# Altium PCB FPGA_Module.PcbDoc (part 1 of 5) (continued)
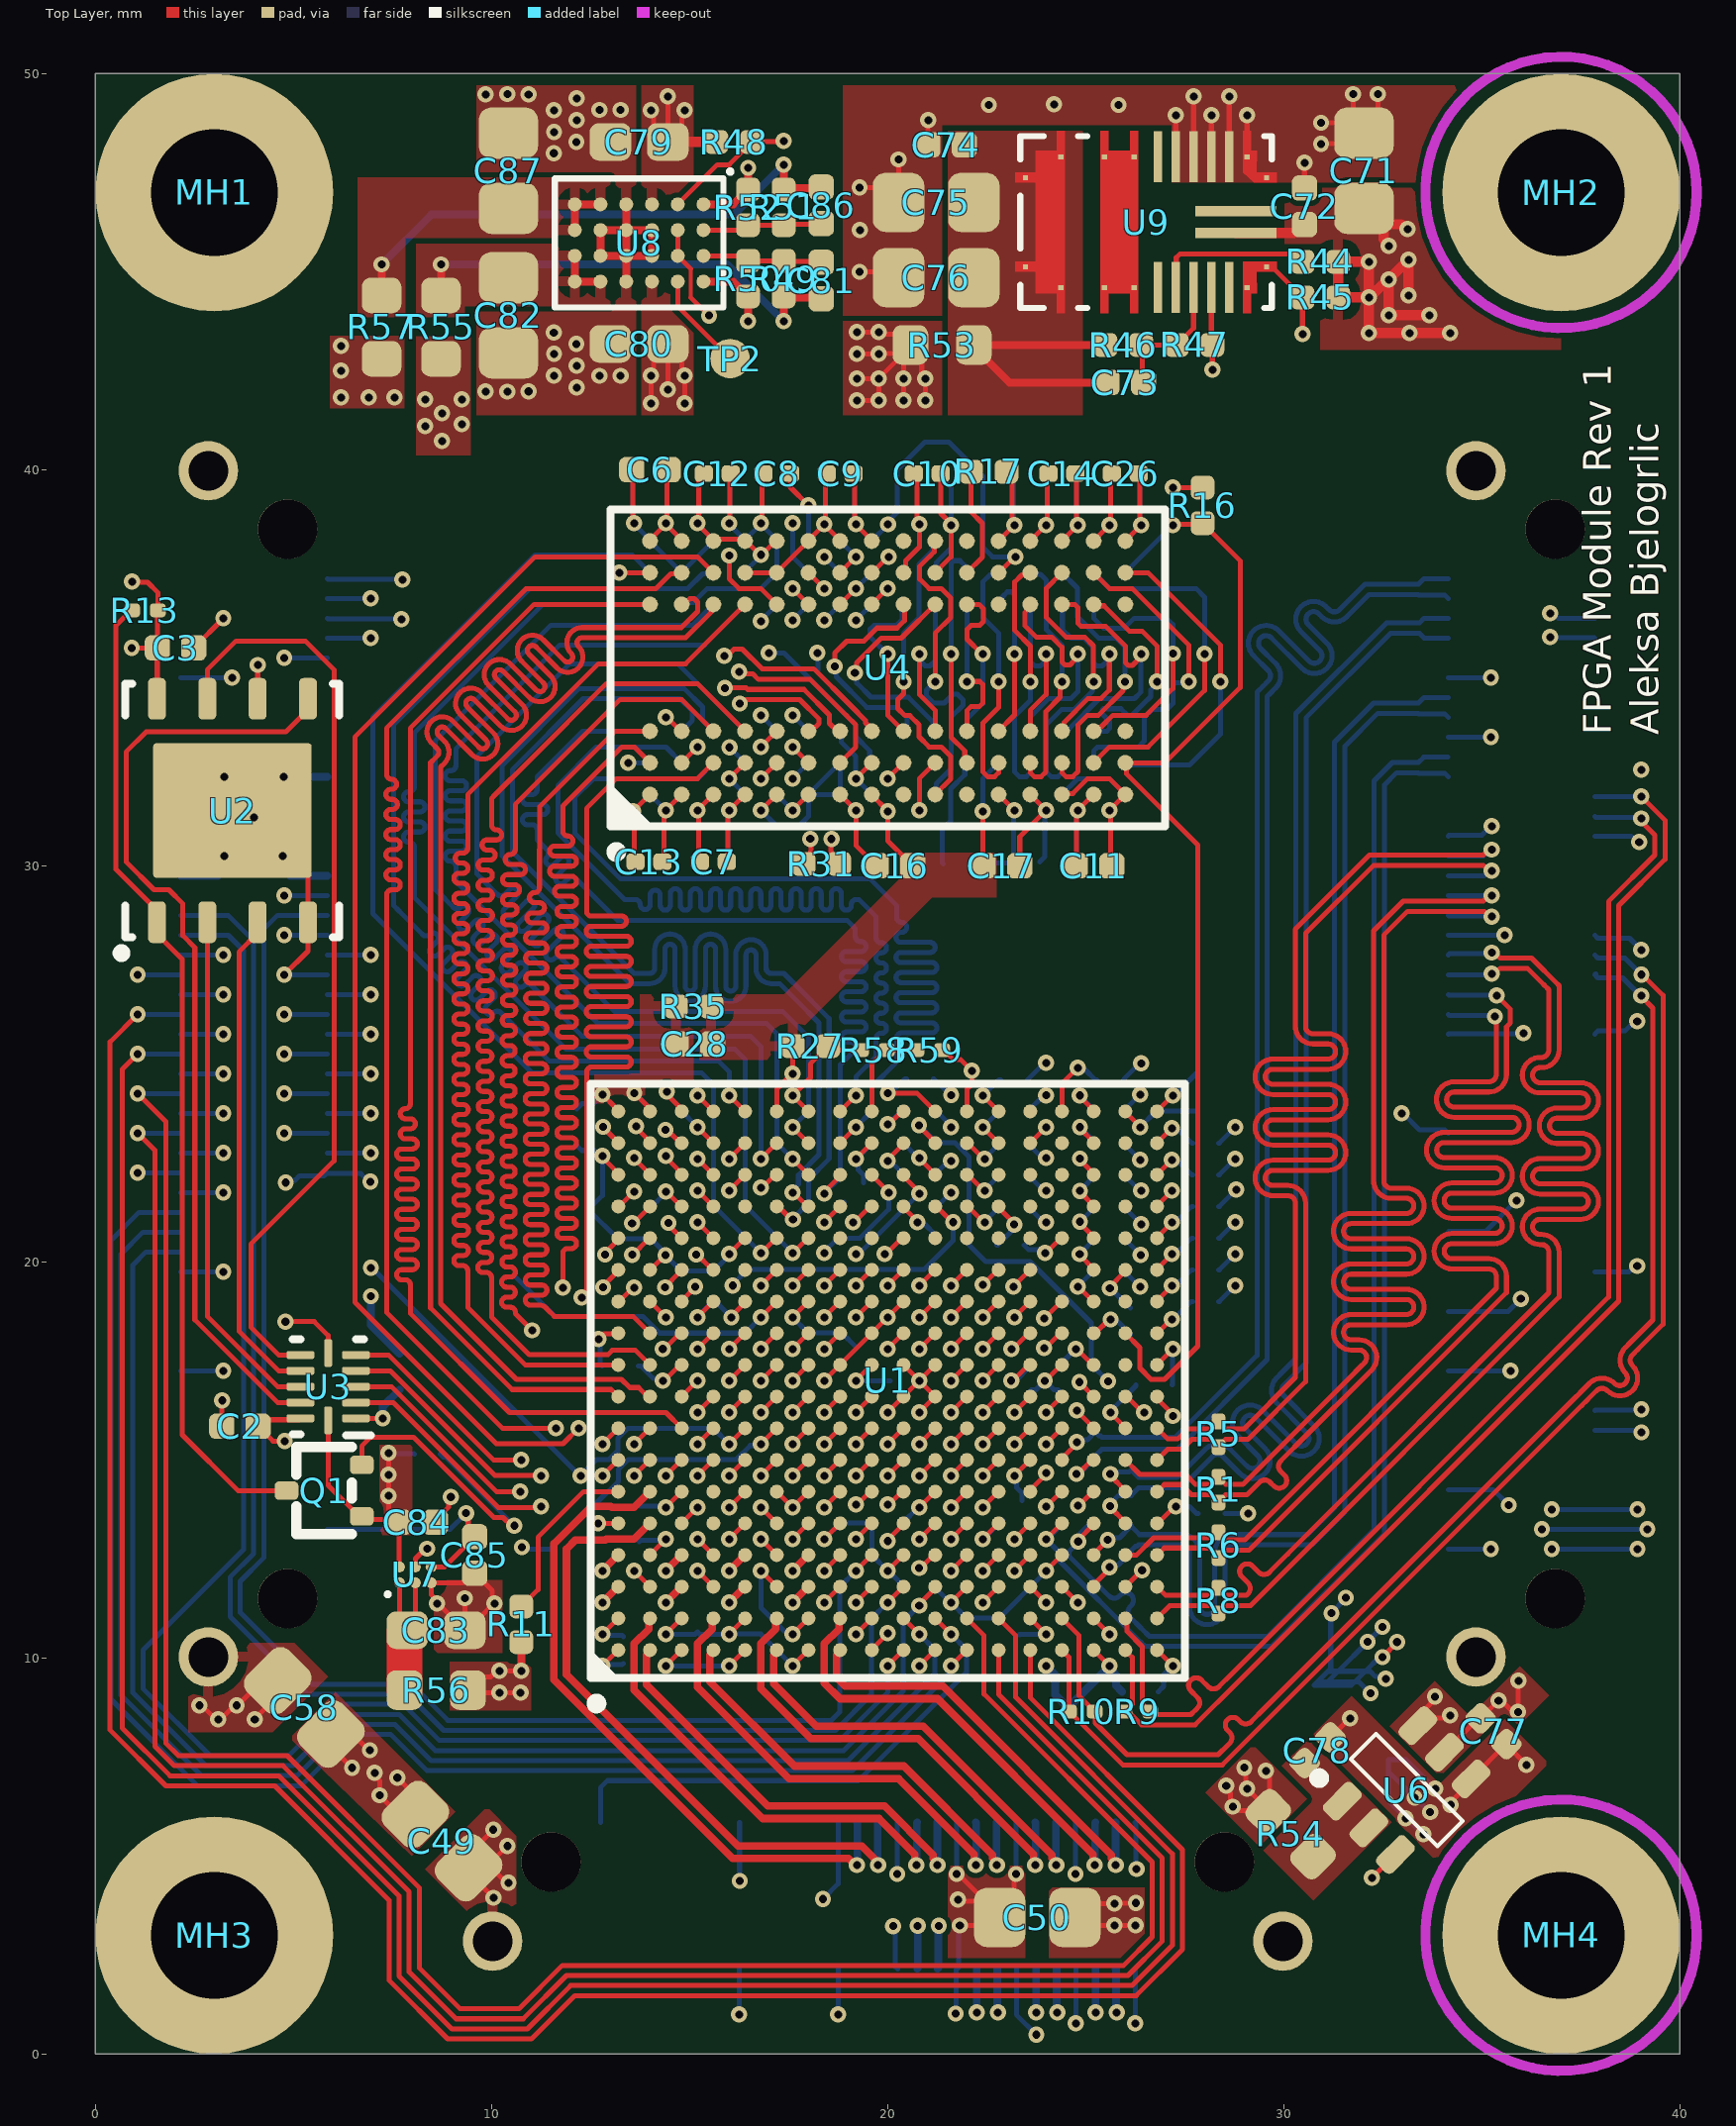
[diagram p0: Top Layer view]
## Components (designator, comment, footprint, x,y, rotation, side; value= is the part's Value field where it differs from the comment)
C1 "100nF" GEN_C_0402 7.675,17.225 r90 bottom
C2 "100nF" GEN_C_0402 3.65,15.85 r180 top
C3 "100nF" GEN_C_0402 2.025,35.5 r0 top
C4 "10nF" GEN_C_0402 22.7,40 r180 bottom
C5 "10nF" GEN_C_0402 20.7,40 r0 bottom
C6 "4.7uF" GEN_C_0402 14,40 r180 top
C7 "470nF" GEN_C_0201 15.6,30.1 r180 top
C8 "470nF" GEN_C_0201 17.2,39.9 r0 top
C9 "470nF" GEN_C_0201 18.8,39.9 r0 top
C10 "470nF" GEN_C_0201 21,39.9 r0 top
C11 "4.7uF" GEN_C_0402 25.2,30 r180 top
C12 "470nF" GEN_C_0201 15.7,39.9 r180 top
C13 "470nF" GEN_C_0201 13.975,30.1 r180 top
C14 "470nF" GEN_C_0201 24.4,39.9 r180 top
C15 "470nF" GEN_C_0201 13.975,30.075 r180 bottom
C16 "10nF" GEN_C_0402 20.175,30 r0 top
C17 "10nF" GEN_C_0402 22.875,30 r0 top
C18 "4.7uF" GEN_C_0402 14,40 r180 bottom
C19 "470nF" GEN_C_0201 24.4,39.9 r180 bottom
C20 "470nF" GEN_C_0201 15.6,30.1 r180 bottom
C21 "470nF" GEN_C_0201 17.2,39.9 r0 bottom
C22 "470nF" GEN_C_0201 15.7,39.9 r180 bottom
C23 "4.7uF" GEN_C_0402 25.2,30 r180 bottom
C24 "470nF" GEN_C_0201 18.8,39.9 r0 bottom
C25 "470nF" GEN_C_0201 23.5,30.1 r0 bottom
C26 "470nF" GEN_C_0201 26,39.9 r180 top
C27 "470nF" GEN_C_0201 26,39.9 r180 bottom
C28 "4.7uF" GEN_C_0402 15.125,25.5 r0 top
C29 "47uF" GEN_C_0805 23.65,8.7 r0 bottom
C30 "4.7uF" GEN_C_0402 23.325,11.05 r90 bottom
C31 "4.7uF" GEN_C_0402 26.375,9.15 r180 bottom
C32 "470nF" GEN_C_0201 28.175,13.65 r180 bottom
C33 "470nF" GEN_C_0201 23.15,13.725 r45 bottom
C34 "470nF" GEN_C_0201 20.79,11.8 r0 bottom
C35 "470nF" GEN_C_0201 19.998,13.408 r0 bottom
C36 "470nF" GEN_C_0201 24.435,22.99 r135 bottom
C37 "470nF" GEN_C_0201 26.125,18.5 r270 bottom
C38 "470nF" GEN_C_0201 15.625,19.4 r90 bottom
C39 "470nF" GEN_C_0201 14.425,23.825 r0 bottom
C40 "4.7uF" GEN_C_0402 27.825,24.3 r270 bottom
C41 "4.7uF" GEN_C_0402 12.15,23.4 r270 bottom
C42 "47uF" GEN_C_0805 11.525,21.35 r0 bottom
C43 "4.7uF" GEN_C_0402 26.725,16.9 r180 bottom
C44 "4.7uF" GEN_C_0402 13.25,17.375 r0 bottom
C45 "470nF" GEN_C_0201 23.1,20.425 r0 bottom
C46 "470nF" GEN_C_0201 14.011,20.978 r270 bottom
C47 "470nF" GEN_C_0201 19.15,21.75 r225 bottom
C48 "470nF" GEN_C_0201 20.001,23.011 r0 bottom
C49 "47uF" GEN_C_0805 8.75,5.375 r135 top
C50 "47uF" GEN_C_0805 23.775,3.45 r0 top
C51 "470nF" GEN_C_0201 20.4,18.6 r0 bottom
C52 "470nF" GEN_C_0201 22,14.6 r180 bottom
C53 "470nF" GEN_C_0201 22.8,15.4 r180 bottom
C54 "470nF" GEN_C_0201 20.4,17.8 r180 bottom
C55 "4.7uF" GEN_C_0402 18.775,14.6 r180 bottom
C56 "4.7uF" GEN_C_0402 21.625,18.2 r270 bottom
C57 "100uF" GEN_C_1210 31.7,8.375 r135 bottom
C58 "47uF" GEN_C_0805 5.275,8.75 r315 top
C59 "4.7uF" GEN_C_0402 23.6,18.575 r0 bottom
C60 "4.7uF" GEN_C_0402 16.4,17 r180 bottom
C61 "470nF" GEN_C_0201 20.375,19.4 r180 bottom
C62 "470nF" GEN_C_0201 17.6,19 r270 bottom
C63 "470nF" GEN_C_0201 18.8,19.4 r180 bottom
C64 "470nF" GEN_C_0201 20.4,17 r180 bottom
C65 "4.7uF" GEN_C_0402 15.2,10.2 r270 bottom
C66 "100nF" GEN_C_0201 13.325,10.2 r90 bottom
C67 "100nF" GEN_C_0201 16.8,10.95 r90 bottom
C68 "100nF" GEN_C_0201 15.2,14.2 r270 bottom
C69 "100nF" GEN_C_0201 15.6,13 r0 bottom
C70 "4.7uF" GEN_C_0402 13.725,13.4 r270 bottom
C71 "47uF" GEN_C_0805 32.023,47.55 r270 top
C72 "100nF" GEN_C_0402 30.523,46.65 r270 top
C73 "39pF" GEN_C_0402 26,42.2 r180 top
C74 "100nF" GEN_C_0402 21.475,48.2 r0 top
C75 "47uF" GEN_C_0805 21.223,46.75 r0 top
C76 "47uF" GEN_C_0805 21.223,44.85 r0 top
C77 "4.7uF" GEN_C_0402 35.295,8.149 r135 top
C78 "100nF" GEN_C_0402 30.852,7.67 r225 top
C79 "10uF" GEN_C_0603 13.725,48.275 r0 top
C80 "10uF" GEN_C_0603 13.725,43.175 r0 top
C81 "1.2pF" GEN_C_0402 18.325,44.775 r270 top
C82 "47uF" GEN_C_0805 10.425,43.9 r90 top
C83 "10uF" GEN_C_0603 8.6,10.7 r180 top
C84 "100nF" GEN_C_0402 8.125,13.425 r180 top
C85 "4.7uF" GEN_C_0402 9.575,12.6 r90 top
C86 "1.2pF" GEN_C_0402 18.325,46.675 r90 top
C87 "47uF" GEN_C_0805 10.425,47.55 r270 top
FB1 "120@100MHZ" GEN_R_0402 19.2,17.4 r90 bottom
FB2 "120@100MHZ" GEN_R_0402 21.2,16.175 r0 bottom
FB3 "120@100MHZ" GEN_R_0402 16.8,14.2 r270 bottom
JM1 "LSHM-150-04.0-L-DV-A-S-K-TR" SAM_LSHM-150-XX.X-XX-DV-A-S 36,25 r270 bottom locked
JM2 "LSHM-150-04.0-L-DV-A-S-K-TR" SAM_LSHM-150-XX.X-XX-DV-A-S 4,25 r270 bottom locked
JM3 "LSHM-130-04.0-L-DV-A-S-K-TR" SAM_LSHM-130-XX.X-XX-DV-A-S 20,4 r0 bottom locked
MH1 "M3" "MH M3" 3,47 r0 top locked
MH2 "M3" "MH M3" 37,47 r0 top locked
MH3 "M3" "MH M3" 3,3 r0 top locked
MH4 "M3" "MH M3" 37,3 r0 top locked
Q1 "DMN62D0UW" GEN_SOT_323 5.775,14.225 r90 top
R1 "100" GEN_R_0201 28.35,14.25 r90 top
R2 "100" GEN_R_0201 25.25,15.4 r90 bottom
R3 "100" GEN_R_0201 24.815,13.39 r180 bottom
R4 "100" GEN_R_0201 26.15,14.425 r90 bottom
R5 "100" GEN_R_0201 28.35,15.65 r90 top
R6 "100" GEN_R_0201 28.35,12.85 r90 top
R7 "100" GEN_R_0201 26.15,13.025 r90 bottom
R8 "100" GEN_R_0201 28.35,11.45 r90 top
R9 "100" GEN_R_0201 26.3,8.65 r0 top
R10 "100" GEN_R_0201 24.9,8.65 r0 top
R11 "100" GEN_R_0402 10.75,10.85 r90 top
R12 "4.7K" GEN_R_0201 8.375,15.15 r180 bottom
R13 "4.7K" GEN_R_0201 1.25,36.45 r0 top
R14 "4.7K" GEN_R_0201 24.4,16.975 r270 bottom
R15 "4.7K" GEN_R_0201 23.525,16.975 r270 bottom
R16 "4.7K" GEN_R_0402 27.95,39.1 r90 top
R17 "240" GEN_R_0402 22.55,39.95 r0 top
R18 "240" GEN_R_0402 21.85,30.05 r0 bottom
R19 "33" GEN_R_0201 21.2,21 r90 bottom
R20 "33" GEN_R_0201 25.6,20.6 r0 bottom
R21 "33" GEN_R_0201 25.6,22.2 r0 bottom
R22 "33" GEN_R_0201 25.6,24.6 r0 bottom
R23 "33" GEN_R_0201 25.6,23 r0 bottom
R24 "33" GEN_R_0201 25.6,21.4 r0 bottom
R25 "33" GEN_R_0201 23.175,23 r0 bottom
R26 "33" GEN_R_0201 23.175,22.2 r0 bottom
R27 "1K" GEN_R_0402 18.05,25.45 r0 top
R28 "33" GEN_R_0201 23.175,21.4 r0 bottom
R29 "33" GEN_R_0201 23.175,23.8 r0 bottom
R30 "33" GEN_R_0201 28.025,19 r0 bottom
R31 "82" GEN_R_0402 18.325,30.05 r180 top
R32 "33" GEN_R_0201 23.175,24.6 r0 bottom
R33 "33" GEN_R_0201 25.6,23.8 r0 bottom
R34 "33" GEN_R_0201 20.8,24.625 r0 bottom
R35 "1K" GEN_R_0402 15.1,26.45 r0 top
R36 "33" GEN_R_0201 20.8,22.175 r0 bottom
R37 "33" GEN_R_0201 20.8,23.9 r0 bottom
R38 "33" GEN_R_0201 28.025,21.4 r0 bottom
R39 "33" GEN_R_0201 28.025,19.8 r0 bottom
R40 "33" GEN_R_0201 28.025,22.2 r0 bottom
R41 "33" GEN_R_0201 25.575,19.8 r0 bottom
R42 "33" GEN_R_0201 28.025,20.6 r0 bottom
R43 "33" GEN_R_0201 28.025,23 r0 bottom
R44 "100k" GEN_R_0402 30.923,45.25 r180 top
R45 "100k" GEN_R_0402 30.923,44.35 r0 top
R46 "20k" GEN_R_0402 25.948,43.15 r180 top
R47 "30k" GEN_R_0402 27.748,43.15 r180 top
R48 "100k" GEN_R_0402 16.125,48.275 r180 top
R49 "169K" GEN_R_0402 17.375,44.825 r270 top
R50 "100k" GEN_R_0402 16.475,44.825 r90 top
R51 "261K" GEN_R_0402 17.375,46.625 r90 top
R52 "100k" GEN_R_0402 16.475,46.625 r270 top
R53 "0.01" GEN_R_0603 21.373,43.15 r180 top
R54 "0.01" GEN_R_0603 30.175,5.55 r135 top
R55 "0.01" GEN_R_0603 8.725,43.6 r270 top
R56 "0.01" GEN_R_0603 8.605,9.189 r0 top
R57 "0.01" GEN_R_0603 7.225,43.6 r270 top
R58 "100" GEN_R_0201 19.65,25.35 r180 top
R59 "100" GEN_R_0201 21.05,25.35 r180 top
TP1 "PCB" GEN_TP_PCB 10.6,19.625 r90 bottom
TP2 "PCB" GEN_TP_PCB 16.02,42.805 r90 top
U1 "XC7A35T-2CSG325C" CSG325 20,17 r90 top locked
U2 "MX25U6432FZNI02" MX_WSON8 3.46,31.395 r90 top
U3 "TXB0104RUTR" TI_UQFN_RUT0012A 5.875,16.85 r180 top
U4 "MT41K64M16JT-15E" MICT-JT-96 20,35 r90 top locked
U5 "MT41K64M16JT-15E" MICT-JT-96 20,35 r270 bottom locked
U6 "SIP32508" VISH_TSOT6 33.103,6.664 r45 top
U7 "LD57100J120R" ST_FlipChip6 8.075,12.1 r90 top
U8 "LTM4691IV" AD_LGA24 13.725,45.725 r270 top
U9 "MPM3650CGQW-Z" MPS_MPM3650 26.523,46.25 r270 top

## Footprints (in the part's own frame and the unit in brackets; to place one, negate y for a bottom-side part, rotate by r counter-clockwise, add the part's x,y. Pads: shape width x height; smd on the part's side, far side on the other; paste and mask are expansions set on the pad)
AD_LGA24 [mm]
  round 0.35 smd paste+0 mask+0: A1(-0.975,1.625) A2(-0.325,1.625) A3(0.325,1.625) A4(0.975,1.625) B1(-0.975,0.975) B2(-0.325,0.975) B3(0.325,0.975) B4(0.975,0.975) C1(-0.975,0.325) C2(-0.325,0.325) C3(0.325,0.325) C4(0.975,0.325) D1(-0.975,-0.325) D2(-0.325,-0.325) D3(0.325,-0.325) D4(0.975,-0.325) E1(-0.975,-0.975) E2(-0.325,-0.975) E3(0.325,-0.975) E4(0.975,-0.975) F1(-0.975,-1.625) F2(-0.325,-1.625) F3(0.325,-1.625) F4(0.975,-1.625)
  silkscreen extent -1.81,-2.13 1.63,2.31, body extent -1.51,-2.01 1.51,2.01, height 1.28
CSG325 [mm] "BGA, 324-Balls, Body 15x15mm, Pitch 0.8mm"
  round 0.35 smd: A1(-6.8,6.8) A2(-6,6.8) A3(-5.2,6.8) A4(-4.4,6.8) A5(-3.6,6.8) A6(-2.8,6.8) A7(-2,6.8) A8(-1.2,6.8) A9(-0.4,6.8) A10(0.4,6.8) A11(1.2,6.8) A12(2,6.8) A13(2.8,6.8) A14(3.6,6.8) A15(4.4,6.8) A16(5.2,6.8) A17(6,6.8) A18(6.8,6.8) B1(-6.8,6) B2(-6,6) B3(-5.2,6) B4(-4.4,6) B5(-3.6,6) B6(-2.8,6) B7(-2,6) B8(-1.2,6) B9(-0.4,6) B10(0.4,6) B11(1.2,6) B12(2,6) B13(2.8,6) B14(3.6,6) B15(4.4,6) B16(5.2,6) B17(6,6) B18(6.8,6) C1(-6.8,5.2) C2(-6,5.2) C3(-5.2,5.2) C4(-4.4,5.2) C5(-3.6,5.2) C6(-2.8,5.2) C7(-2,5.2) C8(-1.2,5.2) C9(-0.4,5.2) C10(0.4,5.2) C11(1.2,5.2) C12(2,5.2) C13(2.8,5.2) C14(3.6,5.2) C15(4.4,5.2) C16(5.2,5.2) C17(6,5.2) C18(6.8,5.2) D1(-6.8,4.4) D2(-6,4.4) D3(-5.2,4.4) D4(-4.4,4.4) D5(-3.6,4.4) D6(-2.8,4.4) D7(-2,4.4) D8(-1.2,4.4) D9(-0.4,4.4) D10(0.4,4.4) D11(1.2,4.4) D12(2,4.4) D13(2.8,4.4) D14(3.6,4.4) D15(4.4,4.4) D16(5.2,4.4) D17(6,4.4) D18(6.8,4.4) E1(-6.8,3.6) E2(-6,3.6) E3(-5.2,3.6) E4(-4.4,3.6) E5(-3.6,3.6) E6(-2.8,3.6) E7(-2,3.6) E8(-1.2,3.6) E9(-0.4,3.6) E10(0.4,3.6) E11(1.2,3.6) E12(2,3.6) E13(2.8,3.6) E14(3.6,3.6) E15(4.4,3.6) E16(5.2,3.6) E17(6,3.6) E18(6.8,3.6) F1(-6.8,2.8) F2(-6,2.8) F3(-5.2,2.8) F4(-4.4,2.8) F5(-3.6,2.8) F6(-2.8,2.8) F7(-2,2.8) F8(-1.2,2.8) F9(-0.4,2.8) F10(0.4,2.8) F11(1.2,2.8) F12(2,2.8) F13(2.8,2.8) F14(3.6,2.8) F15(4.4,2.8) F16(5.2,2.8) F17(6,2.8) F18(6.8,2.8) G1(-6.8,2) G2(-6,2) G3(-5.2,2) G4(-4.4,2) G5(-3.6,2) G6(-2.8,2) G7(-2,2) G8(-1.2,2) G9(-0.4,2) G10(0.4,2) G11(1.2,2) G12(2,2) G13(2.8,2) G14(3.6,2) G15(4.4,2) G16(5.2,2) G17(6,2) G18(6.8,2) H1(-6.8,1.2) H2(-6,1.2) H3(-5.2,1.2) H4(-4.4,1.2) H5(-3.6,1.2) H6(-2.8,1.2) H7(-2,1.2) H8(-1.2,1.2) H9(-0.4,1.2) H10(0.4,1.2) H11(1.2,1.2) H12(2,1.2) H13(2.8,1.2) H14(3.6,1.2) H15(4.4,1.2) H16(5.2,1.2) H17(6,1.2) H18(6.8,1.2) J1(-6.8,0.4) J2(-6,0.4) J3(-5.2,0.4) J4(-4.4,0.4) J5(-3.6,0.4) J6(-2.8,0.4) J7(-2,0.4) J8(-1.2,0.4) J9(-0.4,0.4) J10(0.4,0.4) J11(1.2,0.4) J12(2,0.4) J13(2.8,0.4) J14(3.6,0.4) J15(4.4,0.4) J16(5.2,0.4) J17(6,0.4) J18(6.8,0.4) K1(-6.8,-0.4) K2(-6,-0.4) K3(-5.2,-0.4) K4(-4.4,-0.4) K5(-3.6,-0.4) K6(-2.8,-0.4) K7(-2,-0.4) K8(-1.2,-0.4) K9(-0.4,-0.4) K10(0.4,-0.4) K11(1.2,-0.4) K12(2,-0.4) K13(2.8,-0.4) K14(3.6,-0.4) K15(4.4,-0.4) K16(5.2,-0.4) K17(6,-0.4) K18(6.8,-0.4) L1(-6.8,-1.2) L2(-6,-1.2) L3(-5.2,-1.2) L4(-4.4,-1.2) L5(-3.6,-1.2) L6(-2.8,-1.2) L7(-2,-1.2) L8(-1.2,-1.2) L9(-0.4,-1.2) L10(0.4,-1.2) L11(1.2,-1.2) L12(2,-1.2) L13(2.8,-1.2) L14(3.6,-1.2) L15(4.4,-1.2) L16(5.2,-1.2) L17(6,-1.2) L18(6.8,-1.2) M1(-6.8,-2) M2(-6,-2) M3(-5.2,-2) M4(-4.4,-2) M5(-3.6,-2) M6(-2.8,-2) M7(-2,-2) M8(-1.2,-2) M9(-0.4,-2) M10(0.4,-2) M11(1.2,-2) M12(2,-2) M13(2.8,-2) M14(3.6,-2) M15(4.4,-2) M16(5.2,-2) M17(6,-2) M18(6.8,-2) N1(-6.8,-2.8) N2(-6,-2.8) N3(-5.2,-2.8) N4(-4.4,-2.8) N5(-3.6,-2.8) N6(-2.8,-2.8) N7(-2,-2.8) N8(-1.2,-2.8) N9(-0.4,-2.8) N10(0.4,-2.8) N11(1.2,-2.8) N12(2,-2.8) N13(2.8,-2.8) N14(3.6,-2.8) N15(4.4,-2.8) N16(5.2,-2.8) N17(6,-2.8) N18(6.8,-2.8) P1(-6.8,-3.6) P2(-6,-3.6) P3(-5.2,-3.6) P4(-4.4,-3.6) P5(-3.6,-3.6) P6(-2.8,-3.6) P7(-2,-3.6) P8(-1.2,-3.6) P9(-0.4,-3.6) P10(0.4,-3.6) P11(1.2,-3.6) P12(2,-3.6) P13(2.8,-3.6) P14(3.6,-3.6) P15(4.4,-3.6) P16(5.2,-3.6) P17(6,-3.6) P18(6.8,-3.6) R1(-6.8,-4.4) R2(-6,-4.4) R3(-5.2,-4.4) R4(-4.4,-4.4) R5(-3.6,-4.4) R6(-2.8,-4.4) R7(-2,-4.4) R8(-1.2,-4.4) R9(-0.4,-4.4) R10(0.4,-4.4) R11(1.2,-4.4) R12(2,-4.4) R13(2.8,-4.4) R14(3.6,-4.4) R15(4.4,-4.4) R16(5.2,-4.4) R17(6,-4.4) R18(6.8,-4.4) T1(-6.8,-5.2) T2(-6,-5.2) T3(-5.2,-5.2) T4(-4.4,-5.2) T5(-3.6,-5.2) T6(-2.8,-5.2) T7(-2,-5.2) T8(-1.2,-5.2) T9(-0.4,-5.2) T10(0.4,-5.2) T11(1.2,-5.2) T12(2,-5.2) T13(2.8,-5.2) T14(3.6,-5.2) T15(4.4,-5.2) T16(5.2,-5.2) T17(6,-5.2) T18(6.8,-5.2) U1(-6.8,-6) U2(-6,-6) U3(-5.2,-6) U4(-4.4,-6) U5(-3.6,-6) U6(-2.8,-6) U7(-2,-6) U8(-1.2,-6) U9(-0.4,-6) U10(0.4,-6) U11(1.2,-6) U12(2,-6) U13(2.8,-6) U14(3.6,-6) U15(4.4,-6) U16(5.2,-6) U17(6,-6) U18(6.8,-6) V1(-6.8,-6.8) V2(-6,-6.8) V3(-5.2,-6.8) V4(-4.4,-6.8) V5(-3.6,-6.8) V6(-2.8,-6.8) V7(-2,-6.8) V8(-1.2,-6.8) V9(-0.4,-6.8) V10(0.4,-6.8) V11(1.2,-6.8) V12(2,-6.8) V13(2.8,-6.8) V14(3.6,-6.8) V15(4.4,-6.8) V16(5.2,-6.8) V17(6,-6.8) V18(6.8,-6.8)
  silkscreen extent -8.27,-7.5 7.5,7.5, body extent -7.5,-7.5 7.5,7.5, height 1.5
GEN_C_0201 [mm] "Chip Capacitor, 2-Leads, Body 0.60x0.30mm, IPC Medium Density"
  rrect50% 0.46x0.42 smd: 1(-0.34,0) 2(0.34,0)
  body extent -0.32,-0.17 0.32,0.17, height 0.33
GEN_C_0402 [mm] "Chip Capacitor, 0402, IPC Medium Density"
  rrect50% 0.64x0.64 smd: 1(-0.46,0) 2(0.46,0)
  body extent -0.55,-0.3 0.55,0.3, height 0.6
GEN_C_0603 [mm] "Chip Capacitor, 2-Leads, Body 1.60x0.80mm, IPC Medium Density"
  rrect50% 1.05x0.95 smd: 1(-0.725,0) 2(0.725,0)
  body extent -0.85,-0.45 0.85,0.45, height 0.9
GEN_C_0805 [mm] "Chip Capacitor, 2-Leads, Body 2.00x1.25mm, IPC Medium Density"
  rrect50% 1.3x1.5 smd: 1(-0.95,0) 2(0.95,0)
  body extent -1.1,-0.72 1.1,0.72, height 1.45
GEN_C_1210 [mm] "Chip Capacitor, 2-Leads, Body 3.20x2.50mm, IPC Medium Density"
  rrect25% 1.65x2.8 smd: 1(-1.325,0) 2(1.325,0)
  body extent -1.8,-1.4 1.8,1.4, height 2.8
GEN_R_0201 [mm] "Chip Resistor, 2-Leads, Body 0.60x0.30mm, IPC Medium Density"
  rrect50% 0.4x0.35 smd: 1(-0.325,0) 2(0.325,0)
  body extent -0.32,-0.17 0.32,0.17, height 0.26
GEN_R_0402 [mm] "Chip Resistor, 2-Leads, Body 1.00x0.50mm, IPC Medium Density"
  rrect50% 0.6x0.6 smd: 1(-0.45,0) 2(0.45,0)
  body extent -0.55,-0.3 0.55,0.3, height 0.4
GEN_R_0603 [mm]
  rrect50% 0.9x1 smd: 1(-0.8,0) 2(0.8,0)
  body extent -0.9,-0.5 0.9,0.5, height 0.6
GEN_SOT_323 [mm]
  rrect50% 0.47x0.6 smd: 1(0,0.95) 2(-0.65,-0.95) 3(0.65,-0.95)
  silkscreen extent -1.1,-0.7 1.1,0.7, body extent -1.23,-0.83 1.23,0.83, height 1.1
GEN_TP_PCB [mm]
  round 1 smd paste-1: 1(0,0)
"MH M3" [mm]
  round 6 hole 3.2: 1(0,0)
MICT-JT-96 [mm] "BGA, 96-Balls, Body 14x8mm, Pitch 0.8mm"
  round 0.4 smd: A1(-3.2,6) A2(-2.4,6) A3(-1.6,6) A7(1.6,6) A8(2.4,6) A9(3.2,6) B1(-3.2,5.2) B2(-2.4,5.2) B3(-1.6,5.2) B7(1.6,5.2) B8(2.4,5.2) B9(3.2,5.2) C1(-3.2,4.4) C2(-2.4,4.4) C3(-1.6,4.4) C7(1.6,4.4) C8(2.4,4.4) C9(3.2,4.4) D1(-3.2,3.6) D2(-2.4,3.6) D3(-1.6,3.6) D7(1.6,3.6) D8(2.4,3.6) D9(3.2,3.6) E1(-3.2,2.8) E2(-2.4,2.8) E3(-1.6,2.8) E7(1.6,2.8) E8(2.4,2.8) E9(3.2,2.8) F1(-3.2,2) F2(-2.4,2) F3(-1.6,2) F7(1.6,2) F8(2.4,2) F9(3.2,2) G1(-3.2,1.2) G2(-2.4,1.2) G3(-1.6,1.2) G7(1.6,1.2) G8(2.4,1.2) G9(3.2,1.2) H1(-3.2,0.4) H2(-2.4,0.4) H3(-1.6,0.4) H7(1.6,0.4) H8(2.4,0.4) H9(3.2,0.4) J1(-3.2,-0.4) J2(-2.4,-0.4) J3(-1.6,-0.4) J7(1.6,-0.4) J8(2.4,-0.4) J9(3.2,-0.4) K1(-3.2,-1.2) K2(-2.4,-1.2) K3(-1.6,-1.2) K7(1.6,-1.2) K8(2.4,-1.2) K9(3.2,-1.2) L1(-3.2,-2) L2(-2.4,-2) L3(-1.6,-2) L7(1.6,-2) L8(2.4,-2) L9(3.2,-2) M1(-3.2,-2.8) M2(-2.4,-2.8) M3(-1.6,-2.8) M7(1.6,-2.8) M8(2.4,-2.8) M9(3.2,-2.8) N1(-3.2,-3.6) N2(-2.4,-3.6) N3(-1.6,-3.6) N7(1.6,-3.6) N8(2.4,-3.6) N9(3.2,-3.6) P1(-3.2,-4.4) P2(-2.4,-4.4) P3(-1.6,-4.4) P7(1.6,-4.4) P8(2.4,-4.4) P9(3.2,-4.4) R1(-3.2,-5.2) R2(-2.4,-5.2) R3(-1.6,-5.2) R7(1.6,-5.2) R8(2.4,-5.2) R9(3.2,-5.2) T1(-3.2,-6) T2(-2.4,-6) T3(-1.6,-6) T7(1.6,-6) T8(2.4,-6) T9(3.2,-6)
  silkscreen extent -4.77,-7 4,7, body extent -4,-7 4,7, height 0.25
MPS_MPM3650 [mil]
  rect 5x5 smd: 1(-64.96,100.39) 7(-64.96,-11.81) 8(-64.96,-41.34) 9(-64.96,-84.65) 10(-44.29,-119.92) 11(44.29,-119.92) 12(64.96,-84.65) 13(64.96,-41.34) 14(64.96,-11.81) 20(64.96,100.39) 21(44.29,119.92) 24(-44.29,119.92)
  rect 51x8 smd paste+0 mask+0: 2(-64.96,82.68) 3(-64.96,64.96) 4(-64.96,47.24) 5(-64.96,29.53) 6(-64.96,11.81) 15(64.96,11.81) 16(64.96,29.53) 17(64.96,47.24) 18(64.96,64.96) 19(64.96,82.68)
  rect 10x81 smd paste+0 mask+0: 22(10.83,89.41) 23(-10.83,89.41)
  Top Layer region: -90.46,-88.65 -90.46,-80.65 90.46,-80.65 90.46,-88.65 70.78,-88.65 70.78,-109.91 49.29,-109.92 49.29,-129.92 39.29,-129.92 39.29,-109.92 -39.29,-109.92 -39.29,-129.92 -49.29,-129.92 -49.29,-109.92 -70.78,-109.91 -70.78,-88.65
  Top Layer region: 39.46,96.39 39.29,129.92 49.29,129.92 49.29,109.92 70.78,110.24 70.78,104.33 90.46,104.33 90.46,96.39
  Top Layer region: -90.46,96.39 -90.46,104.39 -70.78,104.39 -70.78,110.22 -49.29,109.92 -49.29,129.92 -39.29,129.92 -39.46,107.31 -49.3,96.39
  Top Layer region: -90.46,-15.81 -90.46,-7.81 90.46,-7.81 90.46,-15.81 70.78,-15.81 70.78,-37.34 90.46,-37.34 90.46,-45.34 -90.46,-45.34 -90.46,-37.34 -70.78,-37.34 -70.78,-15.81
  silkscreen extent -85,-125 86,125, body extent -79,-119 79,119, height 63
MX_WSON8 [mm] "SON, 8-Leads, Body 5.00x6.00mm, Pitch 1.27mm, Thermal Pad 4.00x3.40mm, IPC Medium Density"
  rrect50% 1.05x0.45 smd: 1(-2.82,1.905) 2(-2.82,0.635) 3(-2.82,-0.635) 4(-2.82,-1.905) 5(2.82,-1.905) 6(2.82,-0.635) 7(2.82,0.635) 8(2.82,1.905)
  rrect5% 3.4x4 smd paste-1.7: 9(0,0)
  silkscreen extent -3.7,-2.7 3.2,2.9, body extent -3.05,-2.55 3.05,2.55, height 0.8
SAM_LSHM-130-XX.X-XX-DV-A-S [mm]
  rrect50% 0.3x1.5 smd: 1(7.25,-1.85) 2(7.25,1.85) 3(6.75,-1.85) 4(6.75,1.85) 5(6.25,-1.85) 6(6.25,1.85) 7(5.75,-1.85) 8(5.75,1.85) 9(5.25,-1.85) 10(5.25,1.85) 11(4.75,-1.85) 12(4.75,1.85) 13(4.25,-1.85) 14(4.25,1.85) 15(3.75,-1.85) 16(3.75,1.85) 17(3.25,-1.85) 18(3.25,1.85) 19(2.75,-1.85) 20(2.75,1.85) 21(2.25,-1.85) 22(2.25,1.85) 23(1.75,-1.85) 24(1.75,1.85) 25(1.25,-1.85) 26(1.25,1.85) 27(0.75,-1.85) 28(0.75,1.85) 29(0.25,-1.85) 30(0.25,1.85) 31(-0.25,-1.85) 32(-0.25,1.85) 33(-0.75,-1.85) 34(-0.75,1.85) 35(-1.25,-1.85) 36(-1.25,1.85) 37(-1.75,-1.85) 38(-1.75,1.85) 39(-2.25,-1.85) 40(-2.25,1.85) 41(-2.75,-1.85) 42(-2.75,1.85) 43(-3.25,-1.85) 44(-3.25,1.85) 45(-3.75,-1.85) 46(-3.75,1.85) 47(-4.25,-1.85) 48(-4.25,1.85) 49(-4.75,-1.85) 50(-4.75,1.85) 51(-5.25,-1.85) 52(-5.25,1.85) 53(-5.75,-1.85) 54(-5.75,1.85) 55(-6.25,-1.85) 56(-6.25,1.85) 57(-6.75,-1.85) 58(-6.75,1.85) 59(-7.25,-1.85) 60(-7.25,1.85)
  round 1.5 hole 1: 61(9.975,1.15) 62(-9.975,1.15)
  round 1.5 hole 1.5 unplated: ""(-8.5,-0.85) ""(8.5,-0.85)
  silkscreen extent -11.13,-3 11.13,3, body extent -10.4,-2.49 10.4,2.64, height 5.6
SAM_LSHM-150-XX.X-XX-DV-A-S [mm]
  rrect50% 0.3x1.5 smd: 1(12.25,-1.85) 2(12.25,1.85) 3(11.75,-1.85) 4(11.75,1.85) 5(11.25,-1.85) 6(11.25,1.85) 7(10.75,-1.85) 8(10.75,1.85) 9(10.25,-1.85) 10(10.25,1.85) 11(9.75,-1.85) 12(9.75,1.85) 13(9.25,-1.85) 14(9.25,1.85) 15(8.75,-1.85) 16(8.75,1.85) 17(8.25,-1.85) 18(8.25,1.85) 19(7.75,-1.85) 20(7.75,1.85) 21(7.25,-1.85) 22(7.25,1.85) 23(6.75,-1.85) 24(6.75,1.85) 25(6.25,-1.85) 26(6.25,1.85) 27(5.75,-1.85) 28(5.75,1.85) 29(5.25,-1.85) 30(5.25,1.85) 31(4.75,-1.85) 32(4.75,1.85) 33(4.25,-1.85) 34(4.25,1.85) 35(3.75,-1.85) 36(3.75,1.85) 37(3.25,-1.85) 38(3.25,1.85) 39(2.75,-1.85) 40(2.75,1.85) 41(2.25,-1.85) 42(2.25,1.85) 43(1.75,-1.85) 44(1.75,1.85) 45(1.25,-1.85) 46(1.25,1.85) 47(0.75,-1.85) 48(0.75,1.85) 49(0.25,-1.85) 50(0.25,1.85) 51(-0.25,-1.85) 52(-0.25,1.85) 53(-0.75,-1.85) 54(-0.75,1.85) 55(-1.25,-1.85) 56(-1.25,1.85) 57(-1.75,-1.85) 58(-1.75,1.85) 59(-2.25,-1.85) 60(-2.25,1.85) 61(-2.75,-1.85) 62(-2.75,1.85) 63(-3.25,-1.85) 64(-3.25,1.85) 65(-3.75,-1.85) 66(-3.75,1.85) 67(-4.25,-1.85) 68(-4.25,1.85) 69(-4.75,-1.85) 70(-4.75,1.85) 71(-5.25,-1.85) 72(-5.25,1.85) 73(-5.75,-1.85) 74(-5.75,1.85) 75(-6.25,-1.85) 76(-6.25,1.85) 77(-6.75,-1.85) 78(-6.75,1.85) 79(-7.25,-1.85) 80(-7.25,1.85) 81(-7.75,-1.85) 82(-7.75,1.85) 83(-8.25,-1.85) 84(-8.25,1.85) 85(-8.75,-1.85) 86(-8.75,1.85) 87(-9.25,-1.85) 88(-9.25,1.85) 89(-9.75,-1.85) 90(-9.75,1.85) 91(-10.25,-1.85) 92(-10.25,1.85) 93(-10.75,-1.85) 94(-10.75,1.85) 95(-11.25,-1.85) 96(-11.25,1.85) 97(-11.75,-1.85) 98(-11.75,1.85) 99(-12.25,-1.85) 100(-12.25,1.85)
  round 1.5 hole 1: 101(14.975,1.15) 102(-14.975,1.15)
  round 1.5 hole 1.5 unplated: ""(-13.5,-0.85) ""(13.5,-0.85)
  silkscreen extent -16.12,-3 16.12,3, body extent -15.4,-2.49 15.4,2.64, height 5.6
ST_FlipChip6 [mil] "BGA, 6-Leads, Body 0.78x1.18mmx0.36mm, Pitch 0.40mm"
  round 11 smd paste+0 mask+0: A1(-7.88,15.75) A2(7.87,15.75) B1(-7.88,0) B2(7.87,0) C1(-7.88,-15.75) C2(7.87,-15.75)
  silkscreen extent -21,25 -18,29, body extent -16,-24 16,24, height 14
TI_UQFN_RUT0012A [mm]
  rrect50% 0.7x0.2 smd paste+0 mask+0.051: 1(-0.7,0.8) 2(-0.7,0.4) 3(-0.7,0) 4(-0.7,-0.4) 5(-0.7,-0.8) 7(0.7,-0.8) 8(0.7,-0.4) 9(0.7,0) 10(0.7,0.4) 11(0.7,0.8)
  rrect50% 0.2x0.7 smd paste+0 mask+0.051: 6(0,-0.85) 12(0,0.85)
  silkscreen extent -1.08,-1.2 0.9,1.23, body extent -0.9,-1.05 0.9,1.05, height 0.55
VISH_TSOT6 [mm] "SOT23, 6-Leads, Body 2.98x2.84mm, Pitch 0.95mm, IPC Medium Density"
  rrect50% 1x0.55 smd: 1(-1.35,0.95) 2(-1.35,0) 3(-1.35,-0.95) 4(1.35,-0.95) 5(1.35,0) 6(1.35,0.95)
  silkscreen extent -1.47,-1.55 0.45,1.9, body extent -1.49,-1.55 1.49,1.55, height 1.1

## Part data
C1 C2 C3 C72 C74 C78 C84: library part "CAP 100nF 16V X7R 0402", Package=0402, Supplier Part Number 1=490-4759-1-ND, Voltage Rating=16V, Supplier 1=Digi-Key
C4 C5 C16 C17: library part "CAP 10nF 50V X7R 0402", Package=0402, Supplier Part Number 1=490-6351-1-ND, Voltage Rating=50V, Supplier 1=Digi-Key
C6 C11 C18 C23 C28 C30 C31 C40 C41 C43 C44 C55 C56 C59 C60 C65 C70 C77 C85: library part "CAP 4.7uF 6.3V X5R 0402", Package=0402, Supplier Part Number 1=490-5915-1-ND, Voltage Rating=6.3V, Supplier 1=Digi-Key
C7 C8 C9 C10 C12 C13 C14 C15 C19 C20 C21 C22 C24 C25 C26 C27 C32 C33 C34 C35 C36 C37 C38 C39 C45 C46 C47 C48 C51 C52 C53 C54 C61 C62 C63 C64: library part "CAP 470nF 6.3V X5R 0201", Package=0201, Supplier Part Number 1=490-10409-1-ND, Voltage Rating=6.3V, Supplier 1=Digi-Key
C29 C42 C49 C50 C58 C71 C75 C76 C82 C87: library part "CAP 47uF 6.3V X5R 0805", Package=0805, Supplier Part Number 1=1276-1852-1-ND, Voltage Rating=6.3V, Supplier 1=Digi-Key
C57: library part "CAP 100uF 6.3V X5R 1210", Package=1210, Supplier Part Number 1=1276-1092-1-ND, Voltage Rating=6.3V, Supplier 1=Digi-Key
C66 C67 C68 C69: library part "CAP 100nF 6.3V X5R 0201", Package=0201, Supplier Part Number 1=490-3167-1-ND, Voltage Rating=6.3V, Supplier 1=Digi-Key
C73: library part "CAP 39pF 50V C0G 0402", Package=0402, Supplier Part Number 1=399-C0402C390J5GAC7867CT-ND, Temperature Coefficient=C0G, Voltage Rating=50V, Supplier 1=Digi-Key
C79 C80 C83: library part "CAP 10uF 10V X5R 0603", Package=0402, Supplier Part Number 1=490-10474-1-ND, Voltage Rating=10V, Supplier 1=Digi-Key
C81 C86: library part "CAP 1.2pF 50V C0G 0402", Package=0402, Supplier Part Number 1=311-1615-1-ND, Temperature Coefficient=C0G, Voltage Rating=50V, Supplier 1=Digi-Key
FB1 FB2 FB3: library part "FERRITE BEAD 120 OHM 0402", Supplier Part Number 1=490-9656-1-ND, Supplier 1=Digi-Key
JM1 JM2: library part "CONN LSHM-150-04.0-L-DV-A-S-K-TR", Supplier Part Number 1=SAM9033CT-ND, Supplier 1=Digi-Key
JM3: library part "CONN LSHM-130-04.0-L-DV-A-S-K-TR", Supplier Part Number 1=SAM9034CT-ND, Supplier 1=Digi-Key
MH1 MH2 MH3 MH4: library part "MH M3"
Q1: library part "NMOS DMN62D0UW", Max Power=320mW, Supplier Part Number 1=DMN62D0UW-7DICT-ND, Id=340mA, Supplier 1=Digi-Key, Vdss=60V
R1 R2 R3 R4 R5 R6 R7 R8 R9 R10 R58 R59: library part "RES 100 OHM 1% 1/20W 0201", Package=0201, Power Rating=0.05W, Supplier Part Number 1=311-100MCT-ND, Tolerance=1%, Supplier 1=Digi-Key
R11: library part "RES 100 OHM 1% 1/10W 0402", Package=0402, Power Rating=0.1W, Supplier Part Number 1=2019-RK73H1ETTP1000FCT-ND, Tolerance=1%, Supplier 1=Digi-Key
R12 R13 R14 R15: library part "RES 4.7K OHM 1% 1/20W 0201", Package=0201, Power Rating=0.05W, Supplier Part Number 1=311-4.70KMTR-ND, Tolerance=1%, Supplier 1=Digi-Key
R16: library part "RES 4.7K OHM 1% 1/10W 0402", Package=0402, Power Rating=0.1W, Supplier Part Number 1=P4.70KLCT-ND, Tolerance=1%, Supplier 1=Digi-Key
R17 R18: library part "RES 240 OHM 1% 1/16W 0402", Package=0402, Power Rating=0.0625W, Supplier Part Number 1=311-240LRTR-ND, Tolerance=1%, Supplier 1=Digi-Key
R19 R20 R21 R22 R23 R24 R25 R26 R28 R29 R30 R32 R33 R34 R36 R37 R38 R39 R40 R41 R42 R43: library part "RES 33 OHM 1% 1/20W 0201", Package=0201, Power Rating=0.05W, Supplier Part Number 1=RMCF0201FT33R0CT-ND, Tolerance=1%, Supplier 1=Digi-Key
R27 R35: library part "RES 1K OHM 1% 1/10W 0402", Package=0402, Power Rating=0.1W, Supplier Part Number 1=311-1.00KLRCT-ND, Tolerance=1%, Supplier 1=Digi-Key
R31: library part "RES 82 OHM 1% 1/16W 0402", Package=0402, Power Rating=0.0625W, Supplier Part Number 1=311-82LRCT-ND, Tolerance=1%, Supplier 1=Digi-Key
R44 R45 R48 R50 R52: library part "RES 100K OHM 1% 1/10W 0402", Package=0402, Power Rating=0.1W, Supplier Part Number 1=311-100KLRCT-ND, Tolerance=1%, Supplier 1=Digi-Key
R46: library part "RES 20K OHM 1% 1/16W 0402", Package=0402, Power Rating=0.0625W, Supplier Part Number 1=311-20.0KLRCT-ND, Tolerance=1%, Supplier 1=Digi-Key
R47: library part "RES 30K OHM 1% 1/16W 0402", Package=0402, Power Rating=0.0625W, Supplier Part Number 1=311-30.0KLRCT-ND, Tolerance=1%, Supplier 1=Digi-Key
R49: library part "RES 169K OHM 1% 1/16W 0402", Package=0402, Power Rating=0.0625W, Supplier Part Number 1=YAG3000CT-ND, Tolerance=1%, Supplier 1=Digi-Key
R51: library part "RES 261K OHM 1% 1/16W 0402", Package=0402, Power Rating=0.0625W, Supplier Part Number 1=311-261KLRCT-ND, Tolerance=1%, Supplier 1=Digi-Key
R53 R54 R55 R56 R57: library part "RES 0.01 OHM 1% 1/4W 0603", Package=0603, Power Rating=0.25W, Supplier Part Number 1=408-1404-1-ND, Tolerance=1%, Supplier 1=Digi-Key
TP1 TP2: library part "TP PCB 1mm"
U1: "Artix-7 FPGA, 150 User I/Os, 4 GTP, 324-Ball BGA, Speed Grade 2, Commercial Grade, Pb-Free", Manufacturer=Xilinx, Operating Temperature Range=Commercial, Available User I/O=150, Clock Mgmt Tiles (CMTs)=5, ComponentLink1Description="Manufacturer URL", ComponentLink1URL=http://www.xilinx.com/, ComponentLink2Description=Datasheet, ComponentLink2URL=http://www.xilinx.com/support/documentation/data_sheets/ds180_7Series_Overview.pdf, ComponentLink3Description="Package Specification", ComponentLink3URL=http://www.xilinx.com/support/documentation/user_guides/ug475_7Series_Pkg_Pinout.pdf, ComponentLink4Description="DC and Switching Characteristics", ComponentLink4URL=http://www.xilinx.com/support/documentation/data_sheets/ds181_Artix_7_Data_Sheet.pdf, ComponentLink5Description="Package File", ComponentLink5URL=http://www.xilinx.com/support/packagefiles/a7packages/xc7a200tsbg484pkg.txt, ComponentLink6Description="Packaging and Pinout", ComponentLink6URL=http://www.xilinx.com/support/documentation/user_guides/ug475_7Series_Pkg_Pinout.pdf, DatasheetVersion=v1.15, GTP=4, Logic Cells=33280, Maximum Distributed RAM="400 Kb", Mounting Technology="Surface Mount", NexusDeviceID=XC7A35T-2CSG325C, PackageDescription="324-Ball Wire-Bond Chip-Scale BGA, Body 15 x 15 mm, Pitch 0.8 mm", PackageReference=CSG-325, PackageVersion="Rev. 1.11", PartNumber=XC7A35T-2CSG325C, Speed Grades=2, Total Block RAM="1800 Kb"
U2: library part "IC FLASH MX25U6432FZNI02", Supplier Part Number 1=1092-MX25U6432FZNI02-ND, Supplier 1=Digi-Key
U3: library part "IC TRNSLTR TXB0104RUTR", Supplier Part Number 1=296-25888-1-ND, Supplier 1=Digi-Key
U4 U5: "1Gb DDR3-1333 SDRAM, 64Mb x 16, 1.5ns, 1.35V, 0 to 95 degC, 96-Ball FBGA, Pb-Free", Manufacturer=Micron, Op. Temp.="0C to +95C", Package=FBGA, Voltage=1.35V, CL="CL = 9", Clock Rate="667 MHz", ComponentLink1Description="Manufacturer URL", ComponentLink1URL=http://www.micron.com/, ComponentLink2Description=Datasheet, ComponentLink2URL=http://www.micron.com/~/media/Documents/Products/Data%20Sheet/DRAM/2Gb_DDR3_SDRAM.pdf, ComponentLink3Description="Package Specification", ComponentLink3URL=http://www.micron.com/~/media/Documents/Products/Data%20Sheet/DRAM/2Gb_DDR3_SDRAM.pdf, Cycle Time=1.5ns, Data Rate=DDR3-1333, DatasheetVersion=Rev.F, Density=1Gb, Depth=64Mb, Mounting Technology="Surface Mount", PackageDescription="96-Ball Fine-Pitch Ball Grid Array, 14 x 8 mm, Pitch 0.8 mm", PackageReference=MICT-JT-96, PackageVersion=Rev.G, PartNumber=MT41K64M16JT-15E, Pin Count=96-ball, RoHS=Yes, Width=x16
U6: library part "IC SWITCH LOAD SIP32508", Supplier Part Number 1=SIP32508DT-T1-GE3CT-ND, Supplier 1=Digi-Key
U7: library part "IC LDO LD57100J120R", Supplier Part Number 1=497-LD57100J120RCT-ND, Supplier 1=Digi-Key
U8: library part "IC BUCK LTM4691IV", Supplier Part Number 1=505-LTM4691IV#PBF-ND, Supplier 1=Digi-Key
U9: library part "IC BUCK MPM3650CGQW-Z", Supplier Part Number 1=1589-MPM3650CGQW-ZCT-ND, Supplier 1=Digi-Key

## Via types
v1: diameter 0.406, hole 0.203, Top Layer to Bottom Layer, tented both sides, 667 vias

## Nets (pads, with @x,y where several pads share a name; then routed paths per layer and width w, separated by ;. In a path a pad name is that pad's centre, name@x,y a point inside that pad or via, vN(x,y) a via of type N, cw(c..) or ccw(c..) an arc to the next point about the centre after c; other vN are vias at no path point)
1V0: C50.2 C51.2 C52.2 C53.2 C54.2 C55.2 C56.2 C57.2 FB3.1 R53.2 U1.F7 U1.F9 U1.F11 U1.G8 U1.G10 U1.H7 U1.H9 U1.H11 U1.J8 U1.J12 U1.K7 U1.K11 U1.L8 U1.L12 U1.M7 U1.M11 U1.N8 U1.N10 U1.N12 U1.P9 U1.P11 | length 32.9
  Top Layer w0.127: v1(16.8,14.6) U1.F7@17.162,14.962 ; v1(16.8,16.2) U1.F9@17.162,16.562 ; v1(16.8,17.8) U1.F11@17.162,18.162 ; v1(17.6,15.4) U1.G8@17.962,15.762 ; v1(17.6,17) U1.G10@17.962,17.362 ; v1(18.4,14.6) U1.H7@18.762,14.962 ; v1(18.4,16.2) U1.H9@18.762,16.562 ; v1(18.4,17.8) U1.H11@18.762,18.162 ; v1(19.2,15.4) U1.J8@19.562,15.762 ; v1(19.2,18.6) U1.J12@19.562,18.962 ; v1(19.225,41.75) v1(19.775,41.75) v1(19.775,42.3) ; v1(19.225,42.3) v1(19.775,42.3) ; v1(19.225,42.925) v1(19.775,42.925) 19.782,42.932 20.366,42.932 R53.2@20.379,42.919 ; v1(19.225,43.475) v1(19.775,43.475) 19.828,43.422 20.338,43.422 R53.2@20.573,43.186 ; v1(20,14.6) U1.K7@20.362,14.962 ; v1(20,17.8) U1.K11@20.362,18.162 ; v1(20.4,41.75) v1(20.4,42.3) 20.406,42.306 20.406,42.914 20.397,42.923 20.372,42.948 20.354,42.966 20.538,43.15 R53.2@20.573,43.15 ; v1(20.8,15.4) U1.L8@21.162,15.762 ; v1(20.8,18.6) U1.L12@21.162,18.962 ; v1(20.95,41.75) v1(20.95,42.3) 20.95,42.376 20.86,42.465 20.86,42.899 20.609,43.15 R53.2@20.573,43.15 ; v1(21.6,14.6) U1.M7@21.962,14.962 ; v1(21.6,17.8) U1.M11@21.962,18.162 ; v1(22.4,15.4) U1.N8@22.762,15.762 ; v1(22.4,17) U1.N10@22.762,17.362 ; v1(22.4,18.6) U1.N12@22.762,18.962 ; v1(23.125,17.8) 23.162,17.8 23.525,18.162 U1.P11@23.562,18.162 ; v1(23.2,16.2) U1.P9@23.562,16.562 ; v1(26.258,3.25) v1(25.725,3.25) 24.925,3.25 C50.2@24.725,3.45 25.075,3.8 25.801,3.8 25.807,3.806 26.26,3.806 v1(26.266,3.813) ; v1(32.49,10.018) 32.49,10.023 32.862,10.395 v1(32.862,10.401) ; v1(19.775,42.3) 20.573,43.099 R53.2@20.573,43.15
  Bottom Layer w0.127: v1(31.567,11.518) 31.567,11.506 31.202,11.141 v1(31.202,11.129) 31.186,11.113 31.186,9.735 C57.2@31.115,9.664 ; v1(32.19,9.105) 31.904,9.392 C57.2@31.788,9.392 ; v1(32.49,10.018) 32.414,10.018 C57.2@32.06,9.664 ; v1(32.491,10.785) v1(32.114,10.408) C57.2@31.371,9.664 ; v1(32.575,9.475) 32.522,9.528 32.312,9.528 32.177,9.664 C57.2@32.06,9.664 ; C57.2@30.843,9.392 C57.2@31.098,9.392 ; C57.2@30.843,9.392 C57.2@31.115,9.664 ; C57.2@30.843,9.392 C57.2@30.763,9.312 C57.2@31.019,9.312 ; C57.2@31.019,9.312 C57.2@31.098,9.392 ; C57.2@31.019,9.312 31.708,9.312 C57.2@31.788,9.392 ; C57.2@31.098,9.392 C57.2@31.371,9.664 ; C57.2@31.098,9.392 C57.2@31.788,9.392 ; C57.2@31.115,9.664 C57.2@31.371,9.664 ; C57.2@31.371,9.664 C57.2@32.06,9.664 ; C57.2@31.788,9.392 C57.2@32.06,9.664
  other v1: 25.725,3.8
1V0_MGT: C68.2 C69.2 C70.2 FB3.2 U1.B4 U1.C5 U1.E5 U1.F5 | length 3
  Top Layer w0.127: U1.B4@14,12.6 v1(14.4,13) ; U1.C5@14.8,13.4 v1(15.2,13.8) ; v1(16,13) U1.E5@16.4,13.4 ; v1(16.8,13.8) U1.F5@17.2,13.4
  Bottom Layer w0.127: C70.2@13.725,12.94 13.755,12.97 14.37,12.97 v1(14.4,13)
1V2_MGT: C65.2 C66.2 C67.2 R11.1 R56.2 U1.A2 U1.C1 U1.E1 U1.F3 U1.G2 | length 10.7
  Top Layer w0.127: v1(10.733,9.125) v1(10.2,9.125) 9.469,9.125 R56.2@9.405,9.189 9.742,9.526 9.975,9.526 10.124,9.675 v1(10.2,9.675) v1(10.75,9.675) ; v1(12.8,10.6) U1.A2@13.2,11 ; v1(14.4,9.8) U1.C1@14.8,10.2 ; v1(16,9.8) U1.E1@16.4,10.2 ; v1(16.8,12.2) U1.F3@17.2,11.8 ; v1(17.6,10.6) U1.G2@18,11
  Top Layer w0.2: v1(10.75,9.675) R11.1@10.75,10.4
  Bottom Layer w0.127: v1(12.8,10.6) 12.83,10.57 13.295,10.57 C66.2@13.325,10.54 ; v1(14.4,9.8) 15.14,9.8 C65.2@15.2,9.74 15.26,9.8 v1(16,9.8) ; v1(16.8,12.2) C67.2@16.8,11.41 ; C67.2@16.808,11.41 C67.2@16.8,11.41 ; v1(17.6,10.6) 17.547,10.653 17.417,10.653 16.8,11.27 C67.2@16.8,11.29 C67.2@16.8,11.41